# Allegro board 600-90698-01_CYW9BTAUDIO3_REV1.0.brd
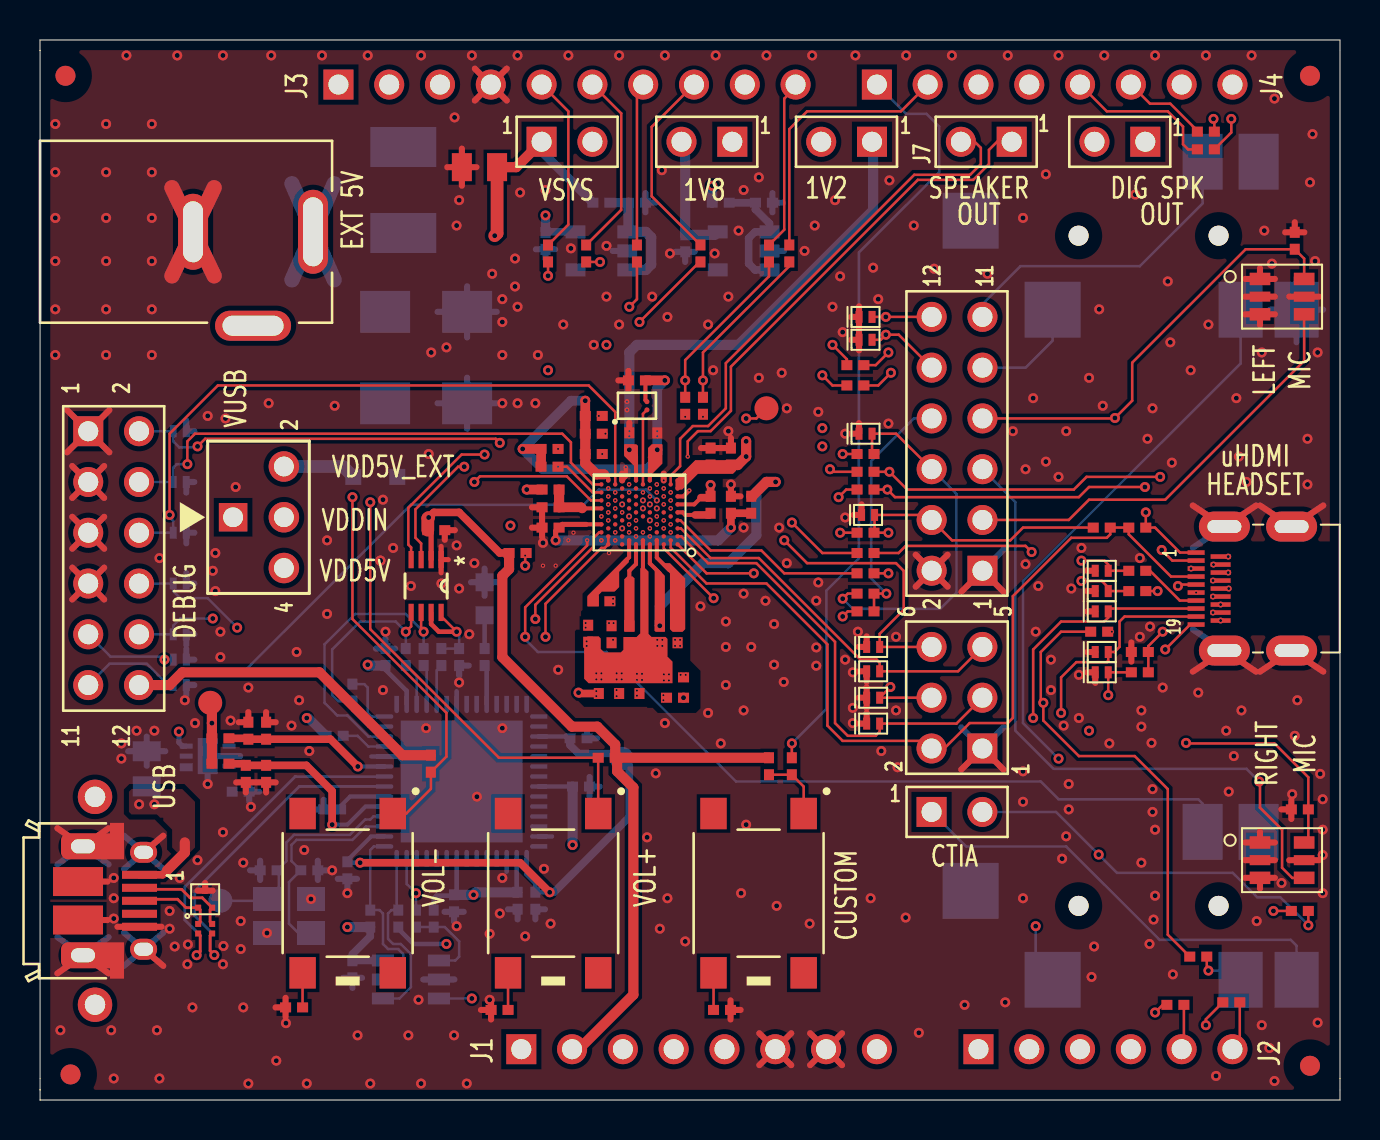
[diagram p0: board, top side]
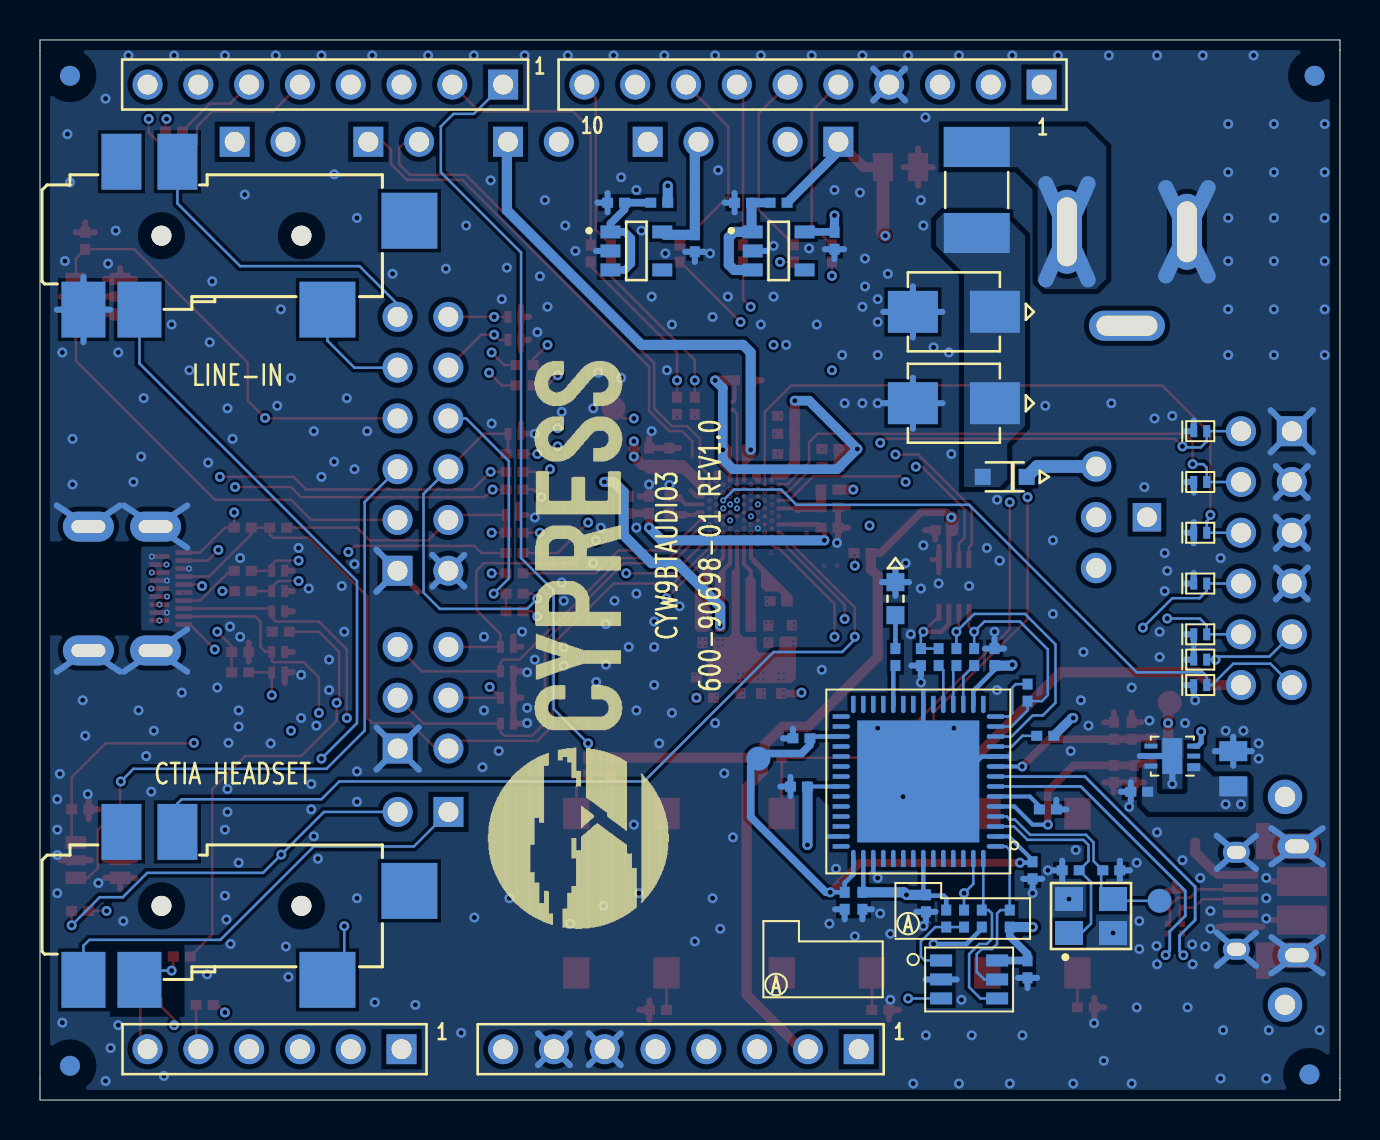
[diagram p1: board, bottom side, seen from below]

Outline 65 x 53.03 mm; copper layers: TOP, L02_SIG, L03_SIG, L04_SIG, L05_SIG, L06_SIG, L07-SIG, BOTTOM. Coordinates in mm from the lower left corner of the outline.
Outline path: 0,53.03 65,53.03 65,0 0,0 0,52.51 0,52.51 0,53.03

## Design rules (mm)
net group USB: nets N17400454 N17400456
net group USB-D: nets D+ D-

## Placement (name value [footprint] x y rotation side)
C1  4.7uF  [CAPC1005_IS0402Q]  31.88 23.3 270 top
C2  4.7uF  [CAPC1005_IS0402Q]  27.94 20.76 90 top
C3  4.7uF  [CAPC1005_IS0402Q]  29.47 32.95 90 top
C4  1uF  [CAPC1005_IS0402Q]  25.53 29.65 180 top
C5  1uF  [CAPC1005_IS0402Q]  41.28 28.38 180 top
C6  4.7uF  [CAPC1005_IS0402Q]  30.99 23.3 270 top
C7  0.1uF  [CAPC1005_IS0402Q]  27.69 32.32 0 top
C8  0.1uF  [CAPC1005_IS0402Q]  30.86 32.95 90 top
C9  1uF  [CAPC1005_IS0402Q]  34.55 29.78 90 top
C10  1uF  [CAPC1005_IS0402Q]  25.53 28.64 180 top
C11  4.7uF  [CAPC1005_IS0402Q]  33.53 32.19 90 top
C12  4.7uF  [CAPC1005_IS0402Q]  34.55 32.19 90 top
C13  1uF  [CAPC1005_IS0402Q]  41.28 32.32 180 top
C14  2.2uF  [CAPC1005_IS0402Q]  28.58 23.3 270 top
C15  2.2uF  [CAPC1005_IS0402Q]  28.07 24.95 0 top
C16  1uF  [CAPC1005_IS0402Q]  41.28 27.37 180 top
C17  0.47uF  [CAPC1005_IS0402Q]  31.75 20.13 180 top
C18  1uF  [CAPC1005_IS0402Q]  41.28 26.35 180 top
C19  4.7uF  [CAPC1005_IS0402Q]  29.98 20.76 270 top
C20  4.7uF  [CAPC1005_IS0402Q]  28.96 20.76 270 top
C21  1uF  [CAPC1005_IS0402Q]  41.28 30.54 180 top
C22  4.7uF  [CAPC1005_IS0402Q]  29.47 23.3 90 top
C23  4.7uF  [CAPC1005_IS0402Q]  27.41 23.33 90 top
C24  4.7uF  [CAPC1005_IS0402Q]  31.75 21.14 0 top
C25  1uF  [CAPC1005_IS0402Q]  41.28 31.43 180 top
C26  2.2uF  [CAPC1005_IS0402Q]  33.53 29.78 270 top
C27  0.1uF  [CAPC1005_IS0402Q]  29.85 36 180 top
C28  0.1uF  [CAPC1005_IS0402Q]  62.74 42.99 90 top
C29  0.1uF  [CAPC1005_IS0402Q]  63 14.54 180 top
C30  10UF  [CAPC2012_IS0805Q]  21.97 46.67 180 top
C31  0.1uF  [CAPC1005_IS0402Q]  25.28 42.99 270 bottom
C32  0.1uF  [CAPC1005_IS0402Q]  36.2 44.89 0 bottom
C33  0.1uF  [CAPC1005_IS0402Q]  32.26 42.86 270 bottom
C34  0.1uF  [CAPC1005_IS0402Q]  29.85 44.89 0 bottom
C35  4.7uF  [CAPC1005_IS0402Q]  10.42 18.48 270 top
C36  4.7uF  [CAPC1005_IS0402Q]  10.29 16.32 90 top
C37  0.1uF  [CAPC1005_IS0402Q]  11.31 18.48 90 top
C38  0.1uF  [CAPC1005_IS0402Q]  11.31 16.32 270 top
C39  0.1uF  [CAPC1005_IS0402Q]  15.37 11.49 270 bottom
C40  0.1uF  [CAPC1005_IS0402Q]  26.93 18.1 0 bottom
C41  0.1uF  [CAPC1005_IS0402Q]  17.28 22.16 90 bottom
C42  0.1uF  [CAPC1005_IS0402Q]  27.05 15.68 0 bottom
C43  0.1uF  [CAPC1005_IS0402Q]  20.7 9.84 270 bottom
C44  1uF  [CAPC1005_IS0402Q]  23.88 9.97 270 bottom
C45  1uF  [CAPC1005_IS0402Q]  10.04 15.42 0 bottom
C46  0.1uF  [CAPC1005_IS0402Q]  20.96 22.16 90 bottom
C47  0.1uF  [CAPC1005_IS0402Q]  19.82 28.51 0 top
C48  10UF  [CAPC2012_IS0805Q]  5.34 16.57 90 bottom
C49  4.7uF  [CAPC1005_IS0402Q]  24.77 9.97 90 bottom
C50  0.1uF  [CAPC1005_IS0402Q]  15.62 6.54 270 bottom
C51  12pF  [CAPC1005_IS0402Q]  13.47 11.49 0 bottom
C52  12pF  [CAPC1005_IS0402Q]  11.43 11.49 180 bottom
D1  ESD208-B1-02EL  [TSLP-2-19_ESD208-B1-02EL]  41.66 22.67 90 top
D2  ESD208-B1-02EL  [TSLP-2-19_ESD208-B1-02EL]  41.66 20.13 90 top
D3  ESD208-B1-02EL  [TSLP-2-19_ESD208-B1-02EL]  41.66 18.83 90 top
D4  ESD208-B1-02EL  [TSLP-2-19_ESD208-B1-02EL]  41.66 21.45 90 top
D5  ESD208-B1-02EL  [TSLP-2-19_ESD208-B1-02EL]  41.28 39.18 90 top
D6  ESD208-B1-02EL  [TSLP-2-19_ESD208-B1-02EL]  41.28 38.03 90 top
D7  ESD208-B1-02EL  [TSLP-2-19_ESD208-B1-02EL]  41.28 33.34 90 top
D8  ESD208-B1-02EL  [TSLP-2-19_ESD208-B1-02EL]  41.41 29.27 90 top
D9  ESD208-B1-02EL  [TSLP-2-19_ESD208-B1-02EL]  53.09 24.45 90 top
D10  ESD208-B1-02EL  [TSLP-2-19_ESD208-B1-02EL]  53.09 22.41 90 top
D11  ESD208-B1-02EL  [TSLP-2-19_ESD208-B1-02EL]  53.09 26.48 90 top
D12  ESD208-B1-02EL  [TSLP-2-19_ESD208-B1-02EL]  53.09 25.46 90 top
D13  ESD208-B1-02EL  [TSLP-2-19_ESD208-B1-02EL]  53.09 21.4 90 top
D14  ESD208-B1-02EL  [TSLP-2-19_ESD208-B1-02EL]  6.99 22.03 90 bottom
D15  ESD208-B1-02EL  [TSLP-2-19_ESD208-B1-02EL]  6.99 20.76 90 bottom
D16  ESD208-B1-02EL  [TSLP-2-19_ESD208-B1-02EL]  6.99 23.3 90 bottom
D17  ESD208-B1-02EL  [TSLP-2-19_ESD208-B1-02EL]  6.99 25.84 90 bottom
D18  ESD208-B1-02EL  [TSLP-2-19_ESD208-B1-02EL]  6.99 28.38 90 bottom
D19  ESD208-B1-02EL  [TSLP-2-19_ESD208-B1-02EL]  6.99 30.92 90 bottom
D20  ESD208-B1-02EL  [TSLP-2-19_ESD208-B1-02EL]  6.99 33.46 90 bottom
D21  PMEG2010EA  [DIOS2_SOD323Q]  16.77 31.18 180 bottom
D22  1SMB5929BT3G  [DIOM4336_SMB_DO214AAN]  19.31 39.43 0 bottom
D23  SMBJ5V0A  [DIOM4336_SMB_DO214AAN]  19.31 34.86 0 bottom
D25  GREEN  [LEDC1608Q]  22.23 25.08 180 bottom
F1  1.5A-24V  [FUSS2_LIT_1812LQ]  18.16 45.53 180 bottom
J1  PBC08SFAN  [CTST254PSS8]  24.07 2.54 0 bottom
J2  PBC06SFAN  [CTST254PSS6]  46.93 2.54 0 bottom
J3  PBC10SFAN  [CTST254PSS10]  14.92 50.8 0 bottom
J4  PBC08SFAN  [CTST254PSS8]  41.85 50.8 0 bottom
J5  46765-1301  [MOLEX_46765-1301]  62.59 25.59 90 top
J6  PBC06DAAN  [CTST254PDS12]  47.13 26.48 90 top
J7  PBC02SAAN  [CTST254PSS2]  48.59 47.94 180 top
J8  PBC03DAAN  [CTST254PDS6]  47.12 17.59 90 top
J9  SJ-43515RS-SMT  [JACK-EARPHONE-ACI]  58.93 43.24 180 bottom
J10  SJ-43515RS-SMT  [JACK-EARPHONE-ACI]  58.93 9.71 180 bottom
J12  PBC06DAAN  [CTST254PDS12]  2.41 33.46 270 top
J13  PJ-002AH  [CUI_PJ-202A]  10.65 43.44 270 top
J14  PBC02SAAN  [CTST254PSS2]  25.08 47.94 0 top
J15  PBC02SAAN  [CTST254PSS2]  41.6 47.94 180 top
J16  PBC02SAAN  [CTST254PSS2]  34.62 47.94 180 top
J17  -  [H6-90-06-DW]  9.66 31.69 270 top
J18  10103594-0001LF  [FCI_10103594-0001_KEYSTONE]  2.15 9.97 270 top
J19  PBC02SAAN  [CTST254PSS2]  44.58 14.41 0 top
J20  PBC02SAAN  [CTST254PSS2]  55.27 47.94 180 top
L1  120 OHM  [INDC1005_IS0402Q]  35.56 29.78 270 top
L2  120 OHM  [INDC1005_IS0402Q]  9.02 18.1 0 top
L3  120 OHM  [INDC1005_IS0402Q]  9.02 16.83 0 top
MIC1  SPH1642HT5H-1  [LGA6_KNOWLES_SPH1642HT5H-1]  62.11 12 0 top
MIC2  SPH1642HT5H-1  [LGA6_KNOWLES_SPH1642HT5H-1]  62.11 40.19 0 top
NOREF  -  []  -34.18 -14.18 0 top
NOREF#2  -  []  82.66 82.34 0 top
NOREF#3  -  []  -336.44 -184.36 0 top
NOREF#4  -  [unnamed#2]  1.27 51.24 0 top
NOREF#5  -  [unnamed#2]  1.53 1.28 0 top
NOREF#6  -  []  100.44 120.44 0 top
NOREF#7  -  []  63.79 0 90 top
NOREF#8  -  []  362.06 -105.62 0 top
NOREF#9  -  [unnamed#2]  63.5 51.24 0 top
NOREF#10  -  []  198.34 276.22 0 top
NOREF#11  -  []  -33.38 -14.21 0 top
NOREF#12  -  []  0 53.03 0 top
NOREF#13  -  [unnamed#2]  63.5 1.71 0 top
NOREF#14  -  []  362.06 -105.62 180 bottom
NOREF#15  -  [unnamed#2]  1.53 1.28 180 bottom
NOREF#16  -  [unnamed#2]  63.5 1.71 180 bottom
NOREF#17  -  [unnamed#2]  1.27 51.24 180 bottom
NOREF#18  -  [unnamed#2]  63.5 51.24 180 bottom
R1  4.7 OHM  [RESC1005_IS0402Q]  25.53 30.54 180 top
R2  4.7K  [RESC1005_IS0402Q]  25.48 31.68 0 top
R3  4.7K  [RESC1005_IS0402Q]  25.48 32.57 0 top
R4  4.7K  [RESC1005_IS0402Q]  27.69 34.22 0 top
R5  4.7K  [RESC1005_IS0402Q]  27.69 33.34 0 top
R6  100K  [RESC1005_IS0402Q]  23.88 27.37 180 top
R7  0 OHM  [RESC1005_IS0402Q]  32.26 34.73 270 top
R8  0 OHM  [RESC1005_IS0402Q]  33.15 34.73 270 top
R9  2.2K  [RESC1005_IS0402Q]  63 9.46 180 top
R11  2.2K  [RESC1005_IS0402Q]  53.09 28.64 180 top
R12  2.2K  [RESC1005_IS0402Q]  54.87 28.64 0 top
R13  2.2K  [RESC1005_IS0402Q]  41.28 25.33 180 top
R14  2.2K  [RESC1005_IS0402Q]  41.28 24.45 180 top
R15  0 OHM  [RESC1005_IS0402Q]  54.99 22.41 180 top
R16  0 OHM  [RESC1005_IS0402Q]  54.99 21.4 180 top
R17  0 OHM  [RESC1005_IS0402Q]  54.87 25.46 180 top
R18  0 OHM  [RESC1005_IS0402Q]  54.87 26.48 180 top
R19  0 OHM  [RESC1005_IS0402Q]  40.77 35.75 180 top
R20  0 OHM  [RESC1005_IS0402Q]  25.4 42.35 270 top
R21  0 OHM  [RESC1005_IS0402Q]  27.31 42.35 270 top
R22  0 OHM  [RESC1005_IS0402Q]  40.77 36.76 180 top
R23  0 OHM  [RESC1005_IS0402Q]  29.85 42.35 270 top
R24  0 OHM  [RESC1005_IS0402Q]  33.02 42.35 270 top
R25  0 OHM  [RESC1005_IS0402Q]  36.45 42.35 270 top
R26  0 OHM  [RESC1005_IS0402Q]  37.59 16.7 270 top
R27  0 OHM  [RESC1005_IS0402Q]  37.47 42.35 270 top
R29  110K OHM  [RESC1005_IS0402Q]  28.34 17.12 180 top
R30  0 OHM  [RESC1005_IS0402Q]  56.77 4.76 180 top
R32  0 OHM  [RESC1005_IS0402Q]  59.57 4.89 180 top
R33  0 OHM  [RESC1005_IS0402Q]  58.3 48.45 0 top
R35  0 OHM  [RESC1005_IS0402Q]  22.98 4.51 0 top
R36  110K OHM  [RESC1005_IS0402Q]  36.45 16.7 270 top
R37  110K OHM  [RESC1005_IS0402Q]  19.54 16.83 270 top
R38  0 OHM  [RESC1005_IS0402Q]  34.1 4.51 180 top
R39  0 OHM  [RESC1005_IS0402Q]  12.71 4.63 0 top
R40  0 OHM  [RESC1005_IS0402Q]  28.07 44.89 180 bottom
R41  0 OHM  [RESC1005_IS0402Q]  34.04 44.89 180 bottom
R43  220 OHM  [RESC1005_IS0402Q]  15.62 20.38 270 bottom
R44  1K OHM  [RESC1005_IS0402Q]  18.29 22.16 90 bottom
R45  1K OHM  [RESC1005_IS0402Q]  19.18 22.16 90 bottom
R46  220K  [RESC1005_IS0402Q]  20.07 22.16 90 bottom
R47  10K OHM  [RESC1005_IS0402Q]  22.23 22.16 90 bottom
R48  10 OHM  [RESC0603_IS0201Q]  8.61 8.57 270 top
R49  10 OHM  [RESC0603_IS0201Q]  7.91 8.57 270 top
R50  12K OHM  [RESC1005_IS0402Q]  14.61 14.54 0 bottom
R51  10K OHM  [RESC1005_IS0402Q]  19.69 9.08 90 bottom
R52  10K OHM  [RESC1005_IS0402Q]  17.91 9.08 270 bottom
R53  10K OHM  [RESC1005_IS0402Q]  16.51 9.08 270 bottom
R54  10K OHM  [RESC1005_IS0402Q]  14.74 18.22 0 bottom
R55  2.2K  [RESC1005_IS0402Q]  18.8 9.08 90 bottom
R56  0 OHM  [RESC1005_IS0402Q]  57.92 7.17 180 top
R57  0 OHM  [RESC1005_IS0402Q]  52.96 23.43 180 top
R58  0 OHM  [RESC1005_IS0402Q]  58.3 47.56 0 top
SW1  PTS645SK43SMTR92 LFS  [SWPBS4_PTS645_SMT]  25.66 10.35 90 top
SW2  PTS645-S-M-43-SMTR92-LFS  [SWPBS4_PTS645_SMT]  35.93 10.35 90 top
SW3  PTS645SL43SMTR92 LFS  [SWPBS4_PTS645_SMT]  15.38 10.35 90 top
TP2  Test-point_1mm  [TP_SMD_120RD_MM-NSP]  36.33 34.61 0 top
TP3  Test-point_1mm  [TP_SMD_120RD_MM-NSP]  29.09 17.08 0 bottom
TP4  Test-point_1mm  [TP_SMD_120RD_MM-NSP]  8.51 19.87 0 top
TP5  Test-point_1mm  [TP_SMD_120RD_MM-NSP]  9.02 9.97 0 bottom
U1  CS47L35-CWZR  [WLCSP101_CS47L35]  29.97 29.4 180 top
U4  XC6503D121MR-G  [SOT23-5_1_2_3_4_5]  28.07 42.48 180 bottom
U5  XC6503D181MR-G  [SOT23-5_1_2_3_4_5]  35.18 42.48 180 bottom
U6  XC6209F332DR  [SON50P200X180_6_USP-6BN]  8.39 17.21 0 bottom
U7  FT2232H-56Q  [VQFN56_FT2232H-56Q]  21.09 15.94 0 bottom
U8  PCA9306DCUR  [VSSOP8_P050_PCA9306DCUR]  19.31 25.72 270 top
U9  TPD2EUSB30ADRTR  [SOT3_TPD2EUSB30ADRT]  8.26 10.09 0 top
U10  93LC56BT-I/OT  [SOT23_6_93LC56B]  18.55 6.03 180 bottom
Y1  12.0000MHz  [XTALS4_3M2X2M5]  12.45 9.21 90 bottom
Y2  32.768KHz  [XTALS4_1P0X0P41_1M55X0M85]  29.85 34.73 90 top

## Library data of the parts
C1-C52 = CAP: User Part Number: Part No
D1-D20 = DIO-TVS-BIPOLAR
D21 = DIO-SCHOTTKY: User Part Number: Part No
D22 = DIO-ZENER: User Part Number: Part No
D23 = DIO-TVS: User Part Number: Part No
D25 = DIO-LED: User Part Number: Part No
F1 = FUSE: User Part Number: Part No
J1 J4 = HDR1X8-J: User Part Number: Part No
J2 = HDR1X6-J: User Part Number: Part No
J3 = HDR1X10-J: User Part Number: Part No
J5 = HDMI_MOLEX
J6 J12 = HDR2X6R-J: Tolerance: TOLERANCE; User Part Number: PART NUMBER
J7 J14-J16 J19 J20 = HDR1X2-J: User Part Number: Part No
J8 = HDR2X3R-J: User Part Number: Part No
J9 J10 = CON-SJ-43515RS-SMT-J
J13 = CON-CNTR-SLEV-SHNT-J: User Part Number: Part No
J17 = H6-90-06-DW
J18 = USB-5P-6SH-J: User Part Number: Part No
L1-L3 = IND: User Part Number: Part No
MIC1 MIC2 = MIC-SPH1642HT5H
R1-R9 R11-R27 R29 R30 R32 R33 R35-R41 R43-R58 = RES: User Part Number: Part No
SW1-SW3 = SW-SPST-12-34: User Part Number: Part No
TP2-TP5 = Test-point_1mm: User Part Number: Part No
U1 = CS47L35
U4 U5 = ADP1713-SOT23-5_0: User Part Number: Part No
U6 = REG-XC6209-USP-6B: User Part Number: Part No
U7 = FT2232H-56Q
U8 = PCA9306DCUR
U9 = TPD2EUSB30
U10 = 93LC56B_SOT23-6
Y1 = XTAL-1G3G: User Part Number: Part No
Y2 = SiT1552: User Part Number: Part No

## Footprints (pads in the part's own frame, mm; a bottom-side part is the same pattern mirrored in y, then rotated)
CAPC1005_IS0402Q
  rect 0.55x0.5 smd: 1(-0.425,0) 2(0.425,0)
CAPC2012_IS0805Q
  rect 1x1.4 smd: 1(-0.88,0) 2(0.88,0)
CTST254PDS6
  rect 1.5x1.5 hole 1: 1(0,0)
  round 1.5 hole 1: 2(0,2.54) 3(2.54,0) 4(2.54,2.54) 5(5.08,0) 6(5.08,2.54)
CTST254PDS12
  rect 1.5x1.5 hole 1: 1(0,0)
  round 1.5 hole 1: 2(0,2.54) 3(2.54,0) 4(2.54,2.54) 5(5.08,0) 6(5.08,2.54) 7(7.62,0) 8(7.62,2.54) 9(10.16,0) 10(10.16,2.54) 11(12.7,0) 12(12.7,2.54)
CTST254PSS2
  rect 1.5x1.5 hole 1: 1(0,0)
  round 1.5 hole 1: 2(2.54,0)
CTST254PSS6
  rect 1.5x1.5 hole 1: 1(0,0)
  round 1.5 hole 1: 2(2.54,0) 3(5.08,0) 4(7.62,0) 5(10.16,0) 6(12.7,0)
CTST254PSS8
  rect 1.5x1.5 hole 1: 1(0,0)
  round 1.5 hole 1: 2(2.54,0) 3(5.08,0) 4(7.62,0) 5(10.16,0) 6(12.7,0) 7(15.24,0) 8(17.78,0)
CTST254PSS10
  rect 1.5x1.5 hole 1: 1(0,0)
  round 1.5 hole 1: 2(2.54,0) 3(5.08,0) 4(7.62,0) 5(10.16,0) 6(12.7,0) 7(15.24,0) 8(17.78,0) 9(20.32,0) 10(22.86,0)
CUI_PJ-202A
  oval 4.2x1.5 hole 3.45x1: 1(0,3)
  oval 3.8x1.5 hole 3.05x1: 2(0,-3)
  oval 1.5x3.8 hole 1x3.05: 3(4.7,0)
DIOM4336_SMB_DO214AAN
  rect 2.5x2.1 smd: A(2.05,0) C(-2.05,0)
DIOS2_SOD323Q
  rect 0.8x0.8 smd: A(-1.1,0) C(1.1,0)
FCI_10103594-0001_KEYSTONE
  round 1.72 hole 1.02: (-5.2,0.6) (5.2,0.6)
  rect 0.4x1.75 smd: 1(-1.3,2.825) 2(-0.65,2.825) 3(0,2.825) 4(0.65,2.825) 5(1.3,2.825)
  oval 1.05x1.35 hole 0.65x0.95: SH1(-2.425,3.03) SH2(2.425,3.03)
  oval 1.2x1.95 hole 0.7x1.2: SH3(-2.725,0) SH4(2.725,0)
  rect 1.45x2.5 smd: SH5(0.962,-0.25) SH6(-0.962,-0.25)
FUSS2_LIT_1812LQ
  rect 3.3x2 smd: 1(0,2.15) 2(0,-2.15)
H6-90-06-DW
  rect 1.422x1.422 hole 0.991: 1(2.54,0)
  round 1.524 hole 0.991: 2(0,2.54) 3(2.54,2.54) 4(5.08,2.54)
INDC1005_IS0402Q
  rect 0.55x0.5 smd: 1(-0.425,0) 2(0.425,0)
JACK-EARPHONE-ACI
  round 1.001 hole 1.699 unplated: (0,0) (7,0)
  rect 2.2x2.799 smd: 1(-3.899,-3.701) 4(-1.1,-3.701)
  rect 2.799x2.799 smd: 2(8.301,-3.701) 5(12.4,0.749)
  rect 1.999x2.799 smd: 3(0.8,3.701) 6(-1.999,3.701)
LEDC1608Q
  rect 0.9x0.9 smd: A(0,-0.826) C(0,0.826)
LGA6_KNOWLES_SPH1642HT5H-1
  rect 1.032x0.622 smd: 1(-1.104,0.884) 3(-1.104,-0.884) 4(1.104,-0.884) 6(1.104,0.884)
  rect 1.032x0.5 smd: 2(-1.104,0) 5(1.104,0)
MOLEX_46765-1301
  rect 0.23x0.85 smd: 1(1.8,4.782) 3(1.4,4.782) 5(1,4.782) 7(0.6,4.782) 9(0.2,4.782) 11(-0.2,4.782) 13(-0.6,4.782) 15(-1,4.782) 17(-1.4,4.782) 19(-1.8,4.782)
  rect 0.23x1 smd: 2(1.6,3.557) 4(1.2,3.557) 6(0.8,3.557) 8(0.4,3.557) 10(0,3.557) 12(-0.4,3.557) 14(-0.8,3.557) 16(-1.2,3.557) 18(-1.6,3.557)
  oval 1.5x2.55 hole 0.65x1.7: M1(-3.1,3.367) M2(3.1,3.367) M3(-3.1,0.007) M4(3.1,0.007)
RESC0603_IS0201Q
  rect 0.3x0.3 smd: 1(-0.24,0) 2(0.24,0)
RESC1005_IS0402Q
  rect 0.55x0.5 smd: 1(-0.425,0) 2(0.425,0)
SON50P200X180_6_USP-6BN
  rect 0.65x0.4 smd: 1(-1.07,0.56)
  rect 0.65x0.25 smd: 2(-1.07,0) 3(-1.07,-0.5) 4(1.07,-0.5) 5(1.07,0) 6(1.07,0.5)
  rect 1x1.8 smd: H(0,0)
SOT3_TPD2EUSB30ADRT
  rect 0.3x0.3 smd: 1(-0.35,-0.471) 2(0.35,-0.471) 3(0,0.379)
SOT23-5_1_2_3_4_5
  rect 1x0.65 smd: 1(-1.295,0.953) 2(-1.295,0) 3(-1.295,-0.953) 4(1.295,-0.953) 5(1.295,0.953)
SOT23_6_93LC56B
  rect 1.1x0.6 smd: 1(-1.4,0.95) 2(-1.4,0) 3(-1.4,-0.95) 4(1.4,-0.95) 5(1.4,0) 6(1.4,0.95)
SWPBS4_PTS645_SMT
  rect 1.575x1.321 smd: 1(-3.984,2.254) 2(3.984,2.254) 3(-3.984,-2.254) 4(3.984,-2.254)
TP_SMD_120RD_MM-NSP
  round 1.2 smd: 1(0,0)
TSLP-2-19_ESD208-B1-02EL
  rect 0.6x0.35 smd: 1(0,0.325) 2(0,-0.325)
unnamed#2
  round 1 smd: (0,0)
VQFN56_FT2232H-56Q
  custom 0.864x0.23 smd: 1(-3.85,3.25) 2(-3.85,2.75) 3(-3.85,2.25) 4(-3.85,1.75) 5(-3.85,1.25) 6(-3.85,0.75) 7(-3.85,0.25) 8(-3.85,-0.25) 9(-3.85,-0.75) 10(-3.85,-1.25) 11(-3.85,-1.75) 12(-3.85,-2.25) 13(-3.85,-2.75) 14(-3.85,-3.25) 29(3.85,-3.25) 30(3.85,-2.75) 31(3.85,-2.25) 32(3.85,-1.75) 33(3.85,-1.25) 34(3.85,-0.75) 35(3.85,-0.25) 36(3.85,0.25) 37(3.85,0.75) 38(3.85,1.25) 39(3.85,1.75) 40(3.85,2.25) 41(3.85,2.75) 42(3.85,3.25)
  custom 0.23x0.864 smd: 15(-3.25,-3.85) 16(-2.75,-3.85) 17(-2.25,-3.85) 18(-1.75,-3.85) 19(-1.25,-3.85) 20(-0.75,-3.85) 21(-0.25,-3.85) 22(0.25,-3.85) 23(0.75,-3.85) 24(1.25,-3.85) 25(1.75,-3.85) 26(2.25,-3.85) 27(2.75,-3.85) 28(3.25,-3.85) 43(3.25,3.85) 44(2.75,3.85) 45(2.25,3.85) 46(1.75,3.85) 47(1.25,3.85) 48(0.75,3.85) 49(0.25,3.85) 50(-0.25,3.85) 51(-0.75,3.85) 52(-1.25,3.85) 53(-1.75,3.85) 54(-2.25,3.85) 55(-2.75,3.85) 56(-3.25,3.85)
  rect 6.1x6.1 smd: 57(0,0)
VSSOP8_P050_PCA9306DCUR
  rect 0.864x0.254 smd: 1(-1.321,0.75) 2(-1.321,0.25) 3(-1.321,-0.25) 4(-1.321,-0.75) 5(1.321,-0.75) 6(1.321,-0.25) 7(1.321,0.25) 8(1.321,0.75)
WLCSP101_CS47L35
  round 0.22 smd: A1(-1.906,1.6) A3(-1.213,1.6) A5(-0.52,1.6) A7(0.173,1.6) A9(0.866,1.6) A11(1.559,1.6) B2(-1.56,1.4) B4(-0.867,1.4) B6(-0.174,1.4) B8(0.519,1.4) B10(1.212,1.4) B12(1.905,1.4) C1(-1.906,1.2) C3(-1.213,1.2) C5(-0.52,1.2) C7(0.173,1.2) C9(0.866,1.2) C11(1.559,1.2) D2(-1.56,1) D4(-0.867,1) D6(-0.174,1) D8(0.519,1) D10(1.212,1) D12(1.905,1) E1(-1.906,0.8) E3(-1.213,0.8) E5(-0.52,0.8) E7(0.173,0.8) E9(0.866,0.8) E11(1.559,0.8) F2(-1.56,0.6) F4(-0.867,0.6) F8(0.519,0.6) F10(1.212,0.6) F12(1.905,0.6) G1(-1.906,0.4) G3(-1.213,0.4) G5(-0.52,0.4) G7(0.173,0.4) G9(0.866,0.4) G11(1.559,0.4) H2(-1.56,0.2) H4(-0.867,0.2) H6(-0.174,0.2) H8(0.519,0.2) H10(1.212,0.2) H12(1.905,0.2) J1(-1.906,0) J3(-1.213,0) J5(-0.52,0) J7(0.173,0) J9(0.866,0) J11(1.559,0) K2(-1.56,-0.2) K4(-0.867,-0.2) K6(-0.174,-0.2) K8(0.519,-0.2) K10(1.212,-0.2) K12(1.905,-0.2) L1(-1.906,-0.4) L3(-1.213,-0.4) L5(-0.52,-0.4) L7(0.173,-0.4) L9(0.866,-0.4) L11(1.559,-0.4) M2(-1.56,-0.6) M4(-0.867,-0.6) M6(-0.174,-0.6) M8(0.519,-0.6) M10(1.212,-0.6) M12(1.905,-0.6) N1(-1.906,-0.8) N3(-1.213,-0.8) N5(-0.52,-0.8) N7(0.173,-0.8) N9(0.866,-0.8) N11(1.559,-0.8) P2(-1.56,-1) P4(-0.867,-1) P6(-0.174,-1) P8(0.519,-1) P10(1.212,-1) P12(1.905,-1) R1(-1.906,-1.2) R3(-1.213,-1.2) R5(-0.52,-1.2) R7(0.173,-1.2) R9(0.866,-1.2) R11(1.559,-1.2) T2(-1.56,-1.4) T4(-0.867,-1.4) T6(-0.174,-1.4) T8(0.519,-1.4) T10(1.212,-1.4) T12(1.905,-1.4) U1(-1.906,-1.6) U3(-1.213,-1.6) U5(-0.52,-1.6) U7(0.173,-1.6) U9(0.866,-1.6) U11(1.559,-1.6)
XTALS4_1P0X0P41_1M55X0M85
  round 0.25 smd: 1(-0.205,0.5) 2(-0.205,-0.5) 3(0.205,-0.5) 4(0.205,0.5)
XTALS4_3M2X2M5
  rect 1.2x1.4 smd: 1(-0.85,1.1) 2(-0.85,-1.1) 3(0.85,-1.1) 4(0.85,1.1)

## Nets
3V3: C41.1 C42.1 C43.1 C44.1 C50.1 L2.1 L3.1 R51.2 R52.2 R53.2 R54.1 TP4.1 U6.3(VOUT) U7.16(VCCIO#16) U7.36(VCCIO#36) U7.44(VREGIN) U7.50(VCCIO#50) U10.6(VCC)
GND: C1.2 C2.2 C3.2 C4.2 C6.2 C7.2 C8.2 C9.2 C10.2 C11.2 C12.2 C19.1 C20.1 C22.1 C23.1 C24.1 C26.1 C27.2 C28.2 C29.2 C30.2 C31.2 C32.2 C33.2 C34.2 C35.1 C36.1 C37.2 C38.2 C39.2 C40.2 C41.2 C42.2 C43.2 C44.2 C45.2 C46.1 C47.2 C48.2 C49.1 C50.2 C51.2 C52.2 D1.1 D2.1 D3.1 D4.1 D5.1 D6.1 D7.1 D8.1 D9.1 D10.1 D11.1 D12.1 D13.1 D14.1 D15.1 D16.1 D17.1 D18.1 D19.1 D20.1 D22.A(ANODE) D23.A(ANODE) D25.C(CATHODE) J1.6 J1.7 J3.4 J5.2 J5.5 J5.8 J5.11 J5.16 J5.M1 J5.M2 J5.M3 J5.M4 J6.1(P1) J6.2(P2) J8.1(P1) J9.1 J10.4 J12.1(P1) J12.3(P3) J12.5(P5) J12.7(P7) J13.2(SLEEVE) J18.5(GND) J18.SH1(SHIELD#SH1) J18.SH2(SHIELD#SH2) J18.SH3(SHIELD#SH3) J18.SH4(SHIELD#SH4) J18.SH5(SHIELD#SH5) J18.SH6(SHIELD#SH6) MIC1.1(GND#1) MIC1.2(GND#2) MIC1.3(GND#3) MIC1.5(GND#5) MIC2.1(GND#1) MIC2.2(GND#2) MIC2.3(GND#3) MIC2.5(GND#5) R15.2 R35.1 R38.1 R39.1 R50.1 R56.1 R57.1 U1.B6(CPGND) U1.E9(AGND2#E9) U1.G11(AGND2#G11) U1.H12(SUBGND#H12) U1.J11(DGND#J11) U1.L1(AGND1) U1.N1(SUBGND#N1) U1.R3(SPKGNDN) U1.T4(DGND#T4) U1.U3(SPKGNDP) U1.U9(DGND#U9) U4.2(GND) U5.2(GND) U6.5(VSS#5) U6.H(VSS#H) U7.10(TEST) U7.21(GND#21) U7.41(GND#41) U7.45(GND#45) U7.57(HS) U8.1(GND) U9.3(GND) U10.2(GND) Y1.2(GND#2) Y1.4(GND#4) Y2.1(GND#1) Y2.4(GND#4)
VDD5V: J1.5 J17.4
VDD5V_EXT: D21.C J17.2
VDDIN: C30.1 J14.1 J17.3 R40.2 R41.2
VDDIO: C7.1 C8.1 C27.1 C47.1 J1.2 J12.12(P12) R2.1 R3.1 R4.1 R5.1 R6.2 R29.1 R36.1 R37.1 U1.U5(DBVDD2) U1.U11(DBVDD1) U8.2(VREF1) Y2.3(VDD)
ACK: R47.1 U7.24(ACBUS2)
AIF1BCLK: D19.2 J12.4(P4) U1.T12(AIF1BCLK/GPIO9)
AIF1LRCLK: D20.2 J12.2(P2) U1.R11(AIF1LRCLK/GPIO11)
AIF1RXDAT: D17.2 J12.8(P8) U1.P10(AIF1RXDAT/GPIO8)
AIF1TXDAT: D18.2 J12.6(P6) U1.T10(AIF1TXDAT/GPIO10)
CIF2SCLK: R2.2 U1.P12(CIF2SCLK) U8.3(SCL1)
CIF2SDA: R3.2 U1.N11(CIF2SDA) U8.4(SDA1)
CLOCK: R45.2 U7.12(ADBUS0) U8.6(SCL2)
CODEC_1V2: C2.1 C3.1 J15.1 R1.2 U1.C7(CPVDD2) U1.U7(DCVDD)
CODEC_1V8: C6.1 J16.1 L1.1 U1.A5(CPVDD1)
CUSTOM: R26.2 R36.2 SW2.4(D)
D+: R49.2 U7.8(DP)
D-: R48.2 U7.7(DM)
DATA_IN: R43.1 U7.14(ADBUS2)
DATA_OUT: R43.2 R44.2 U7.13(ADBUS1) U8.5(SDA2)
DMICCLK1/IN1LN: D2.2 J8.4(P4) U1.E3(IN1ALN/DMICCLK1)
DMICCLK2/IN2LN: D1.2 J8.6(P6) U1.H4(IN2LN/DMICCLK2)
DMICDAT1/IN1RN: D3.2 J8.3(P3) U1.C1(IN1ARN/DMICDAT1)
DMICDAT2/IN2RN: D4.2 J8.5(P5) U1.E1(IN2RN/DMICDAT2)
DSP: TP2.1 U1.P4(AIF3RXDAT/GPIO3)
EECLK: R52.1 U7.56(EECLK) U10.4(CLK)
EECS#: R53.1 U7.1(EECS) U10.5(CS)
EEDATA: R55.2 U7.55(EEDATA) U10.3(DI)
EXT_MICL: J6.9(P9) J9.2
EXT_MICR: J6.11(P11) J9.3
HPOUTFB: R56.2 R57.2 U1.D12(HPOUTFB1/MICDET2)
HPOUTL: D9.2 J5.15 J10.2 U1.A11(HPOUTL) U1.C11(HPDETL)
HPOUTR: D10.2 J5.17 J10.3 U1.B10(HPOUTR) U1.B12(HPDETR)
I2CNSPI_SEL: R46.1 U7.19(ADBUS6)
I2S_DI: R21.2 U1.L5(AIF2TXDAT/GPIO12)
I2S_DO: R23.2 U1.K6(AIF2RXDAT/GPIO14)
I2S_SCK: R20.2 U1.P6(AIF2BCLK/GPIO13)
I2S_WS: R24.2 U1.M6(AIF2LRCLK/GPIO15)
IN1BLP: C16.1 J5.6 J19.2 R9.1
IN1BRP: C18.1 J5.12
IN1LP: C5.1 D8.2 J5.19 J6.4(P4) R11.2 R14.2
IN1RP: C13.1 D7.2 J5.1 J6.6(P6) R12.2 R13.2
IN2LP: C21.1 D6.2 J5.3 J6.10(P10)
IN2RP: C25.1 D5.2 J5.9 J6.12(P12)
JACKDET: J9.4 U1.D10(JACKDET1)
MCLK1: R58.2 U1.M12(MCLK1)
MCLK2: U1.T6(MCLK2) Y2.2(OUT)
MIC1: J6.5(P5) MIC1.4(OUTPUT)
MIC1BIAS: C28.1 C29.1 J6.7(P7) MIC1.6(VDD) MIC2.6(VDD)
MIC2: J6.3(P3) MIC2.4(OUTPUT)
MICBIAS1A: J5.4 J6.8(P8) R13.1 R14.1 U1.A1(MICBIAS1A)
MICBIAS1B: J5.10 R9.2 U1.A3(MICBIAS1B)
MICBIAS2A: J5.7 J8.2(P2) R11.1 R12.1 U1.B2(MICBIAS2A)
MIFSCLK: D12.2 D16.2 J12.10(P10) R5.2 R17.2 U1.T8(MIFSCLK/GPIO16)
MIFSDA: D13.2 D14.2 J12.9(P9) R4.2 R16.2 U1.P8(MIFSDA/GPIO7)
NIRQ: R6.1 R33.2 U1.J9(#IRQ)
NIRQ2: D11.2 D15.2 J12.11(P11) R18.2 U1.M4(AIF3TXDAT/GPIO1)
NRESET: J1.3 U1.H8(#RESET)
PU_DATA_OUT: R44.1 U7.17(ADBUS4)
PU_EN_CLOCK: R45.1 U7.18(ADBUS5)
SPI_MISO: R30.2 U1.M10(CIF1MISO)
SPI_MOSI: R22.2 U1.L9(CIF1MOSI)
SPI_NCS: R19.2 U1.K10(#CIF1SS)
SPI_SCK: R32.2 U1.L11(CIF1SCLK)
SPKCLK: J20.1 U1.M2(SPKCLK/GPIO6)
SPKDAT: J20.2 U1.N3(SPKDAT/GPIO5)
SPKOUTN: J7.1 U1.P2(SPKOUTN)
SPKOUTP: J7.2 U1.T2(SPKOUTP)
USB_1V8: C39.1 C40.1 C49.2 TP3.1 U7.2(VCORE#2) U7.31(VCORE#31) U7.43(VREGOUT)
VOL+: R7.1 R25.2 R29.2 SW1.4(D)
VOL-: R8.1 R27.2 R37.2 SW3.4(D)
VSYS: C11.1 C12.1 J14.2 U1.R1(SPKVDD#R1) U1.U1(SPKVDD#U1)
VUSB: C45.1 C48.1 J17.1 J18.1(VBUS) U6.1(VIN) U6.6(CE)